# Altium PCB radxa_cm3i_io_board_v1.4.PcbDoc (part 4 of 9) (continued)
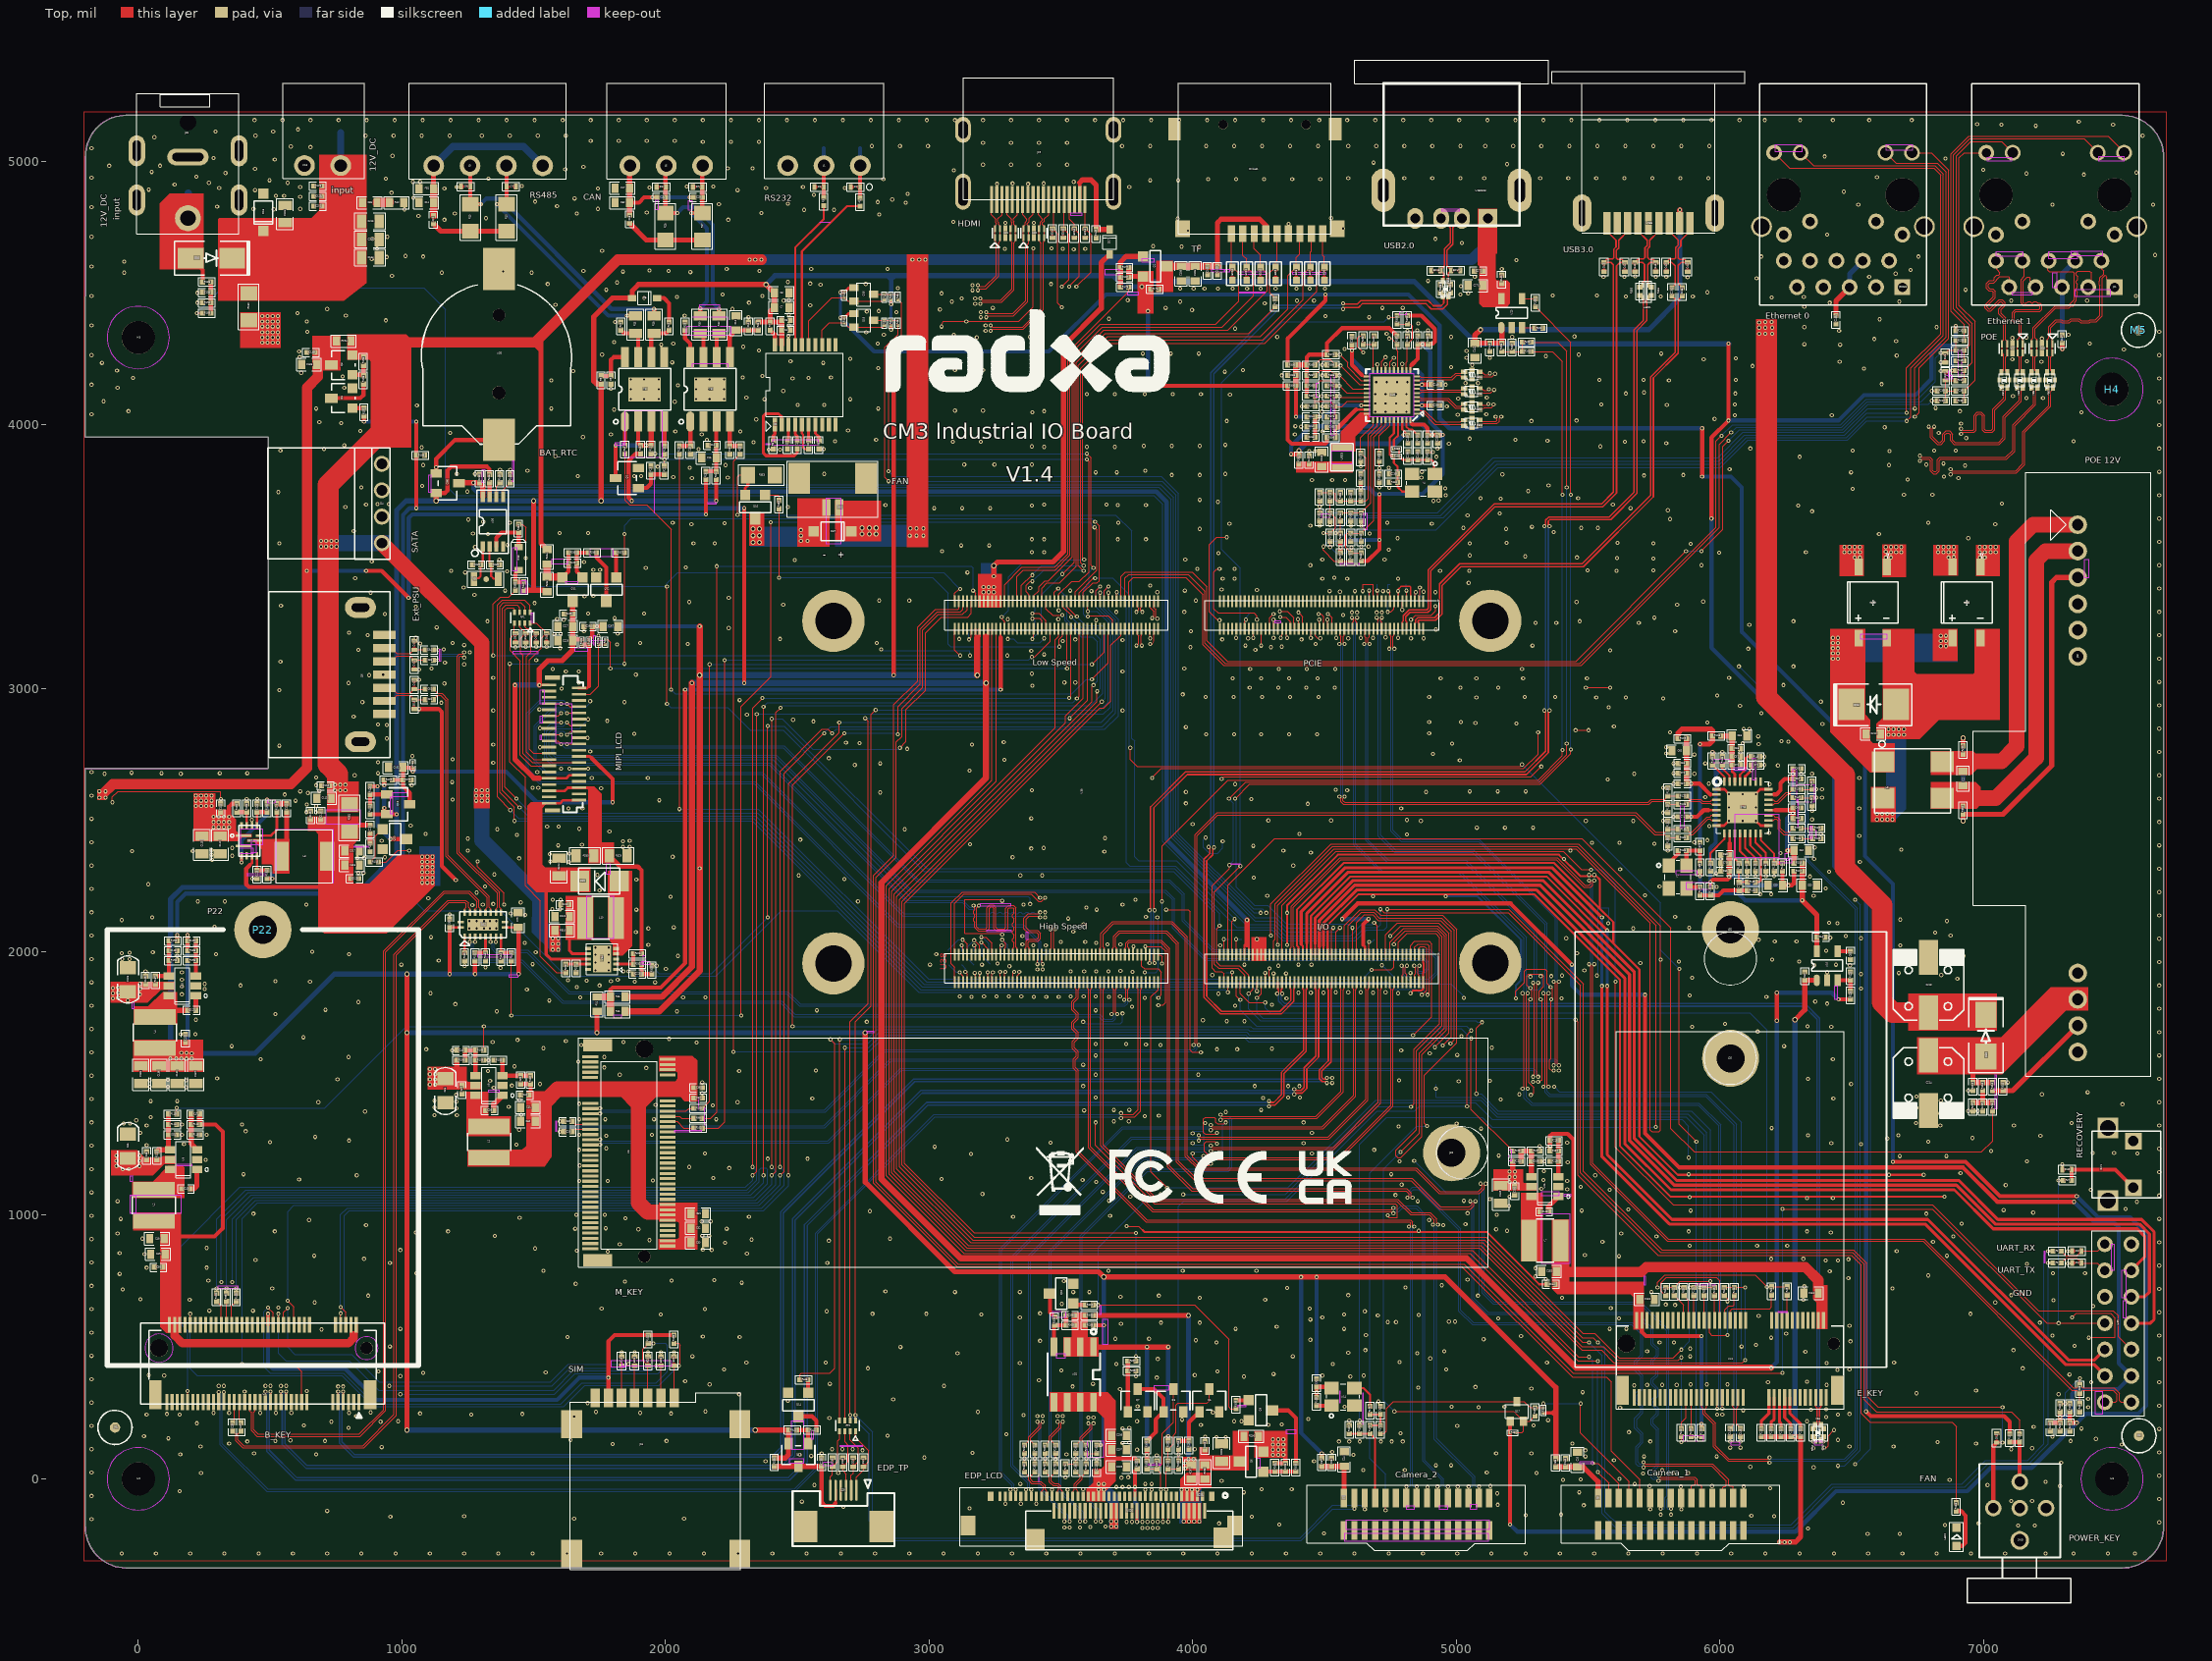
[diagram p0: Top view]
## Nets (pads, with @x,y where several pads share a name; then routed paths per layer and width w, separated by ;. In a path a pad name is that pad's centre, name@x,y a point inside that pad or via, vN(x,y) a via of type N, cw(c..) or ccw(c..) an arc to the next point about the centre after c; other vN are vias at no path point) (continued)
6078.74,2755.91 6009.84,2757.87 7667.32,2757.87 1714.57,2759.84 2917.32,2769.69 1523.62,2775.59 5797.24,2775.59 535.43,2781.5 1346.46,2785.43 3163.39,2785.43 6147.64,2787.4 4984.25,2789.37 2736.22,2791.34 6086.61,2791.34 2685.04,2793.31 3283.46,2795.28 6259.84,2797.24 6234.25,2799.21 942.91,2809.06 1704.72,2811.02 6145.67,2816.93 4051.18,2824.8 4157.48,2824.8 4259.84,2824.8 4366.14,2824.8 4472.44,2824.8 1881.89,2826.77 4897.64,2828.74 5811.02,2832.68 6090.55,2844.49 6112.2,2844.49 7667.32,2846.46 1523.62,2848.43 3974.41,2852.36 5598.43,2854.33 942.91,2860.24 909.45,2862.2 6389.76,2864.17 5228.35,2866.14 5072.83,2868.11 5952.76,2870.08 4897.64,2872.05 5017.72,2872.05 2561.02,2874.02 1779.53,2875.98 2484.25,2879.92 816.93,2891.73 2309.06,2899.61 6157.48,2905.51 1346.46,2915.35 3734.25,2915.35 5578.74,2927.17 6076.77,2933.07 7667.32,2935.04 1149.61,2944.88 850.39,2946.85 1844.49,2946.85 6383.86,2948.82 2281.5,2954.72 5785.43,2960.63 5076.77,2964.57 5531.5,2964.57 5643.7,2964.57 4049.21,2966.54 4155.51,2966.54 4263.78,2966.54 4370.08,2966.54 4478.35,2966.54 4897.64,2966.54 5259.84,2966.54 5375.98,2966.54 5990.16,2972.44 3962.6,2976.38 535.43,2992.13 1606.3,2998.03 4216.54,3001.97 4324.8,3001.97 4431.1,3001.97 4539.37,3001.97 5015.75,3001.97 5159.45,3001.97 6242.13,3011.81 1161.42,3017.72 797.24,3019.69 1671.26,3021.65 3513.78,3021.65 3555.12,3021.65 7667.32,3023.62 1064.96,3031.5 4151.57,3037.4 4259.84,3037.4 4366.14,3037.4 4474.41,3037.4 4940.94,3037.4 5076.77,3037.4 5253.94,3037.4 5496.06,3037.4 1346.46,3039.37 6035.43,3039.37 875.98,3049.21 929.13,3051.18 1887.8,3051.18 1622.05,3062.99 1671.26,3062.99 3734.25,3062.99 1064.96,3070.87 1572.83,3072.83 4218.5,3072.83 4326.77,3072.83 4433.07,3072.83 4541.34,3072.83 5250,3072.83 1112.2,3074.8 3968.5,3074.8 6279.53,3082.68 1236.22,3090.55 1163.39,3096.46 539.37,3100.39 1509.84,3106.3 7667.32,3112.2 3297.24,3124.02 1257.87,3135.83 5584.65,3143.7 834.65,3145.67 4238.19,3145.67 1159.45,3147.64 6108.27,3149.61 1600.39,3151.57 1431.1,3155.51 3992.13,3155.51 1470.47,3157.48 1509.84,3157.48 1549.21,3157.48 4338.58,3157.48 5289.37,3161.42 1236.22,3163.39 1816.93,3165.35 2084.65,3167.32 1068.9,3169.29 1192.91,3171.26 1903.54,3171.26 2801.18,3171.26 3507.87,3179.13 3734.25,3183.07 3555.12,3185.04 4112.2,3185.04 4413.39,3185.04 2435.04,3187.01 3114.17,3187.01 4210.63,3188.98 4590.55,3188.98 4828.74,3188.98 4875.98,3188.98 1053.15,3190.94 4165.35,3190.94 4307.09,3190.94 4545.28,3190.94 4637.8,3190.94 4685.04,3190.94 4732.28,3192.91 1746.06,3198.82 870.08,3200.79 7667.32,3200.79 1578.74,3204.72 1602.36,3206.69 1818.9,3206.69 799.21,3210.63 1690.94,3216.54 3994.09,3216.54 5830.71,3216.54 4923.23,3222.44 2240.16,3228.35 1131.89,3230.31 6112.2,3240.16 5301.18,3248.03 5379.92,3248.03 5692.91,3248.03 1324.8,3253.94 5468.5,3253.94 6279.53,3253.94 3633.86,3257.87 1614.17,3259.84 1588.58,3261.81 3299.21,3261.81 3490.16,3261.81 1807.09,3265.75 5751.97,3267.72 4570.87,3277.56 935.04,3281.5 1706.69,3283.46 1919.29,3283.46 4604.33,3287.4 4624.02,3287.4 4698.82,3287.4 4718.5,3287.4 3710.63,3289.37 3968.5,3289.37 7667.32,3289.37 3492.13,3295.28 1053.15,3309.06 541.34,3312.99 2446.85,3316.93 5838.58,3316.93 1503.94,3322.83 2090.55,3326.77 5456.69,3326.77 5937.01,3328.74 2811.02,3332.68 2925.2,3332.68 4011.81,3332.68 2240.16,3342.52 1692.91,3348.43 1726.38,3350.39 1275.59,3354.33 881.89,3362.2 3866.14,3364.17 4921.26,3364.17 4559.06,3366.14 4875.98,3366.14 3616.14,3368.11 4519.69,3368.11 4616.14,3368.11 4722.44,3368.11 4779.53,3368.11 1391.73,3370.08 3535.43,3370.08 3970.47,3370.08 4244.09,3372.05 7667.32,3377.95 1234.25,3381.89 3838.58,3389.76 5047.24,3399.61 4114.17,3415.35 4159.45,3415.35 4492.13,3415.35 4586.61,3415.35 4779.53,3415.35 822.83,3417.32 4537.4,3419.29 1240.16,3438.98 3145.67,3438.98 1399.61,3442.91 1187.01,3444.88 4938.98,3444.88 5049.21,3444.88 5608.27,3444.88 5498.03,3446.85 5748.03,3446.85 1726.38,3448.82 1751.97,3448.82 4017.72,3452.76 4159.45,3452.76 1925.2,3456.69 2076.77,3458.66 4446.85,3466.54 5931.1,3466.54 7667.32,3466.54 1690.94,3478.35 885.83,3480.31 2490.16,3486.22 1370.08,3488.19 3972.44,3488.19 4492.13,3488.19 4728.35,3488.19 5748.03,3492.13 5610.24,3494.09 5458.66,3496.06 5261.81,3500 5051.18,3503.94 4098.43,3511.81 5998.03,3513.78 3389.76,3515.75 3437.01,3515.75 6326.77,3515.75 3049.21,3519.69 1277.56,3535.43 4639.76,3537.4 4667.32,3537.4 3122.05,3541.34 3228.35,3541.34 1401.57,3543.31 5889.76,3547.24 535.43,3549.21 2106.3,3549.21 2187.01,3549.21 5051.18,3549.21 5748.03,3549.21 5190.94,3551.18 5612.2,3551.18 7667.32,3555.12 3389.76,3564.96 3437.01,3564.96 3716.54,3564.96 3822.83,3564.96 4777.56,3568.9 6942.91,3568.9 1326.77,3584.65 6604.33,3584.65 1269.69,3586.61 4671.26,3586.61 1598.43,3588.58 1706.69,3588.58 5370.08,3592.52 816.93,3596.46 4027.56,3604.33 5188.98,3604.33 5027.56,3608.27 5474.41,3608.27 5537.4,3608.27 5287.4,3612.2 4446.85,3616.14 4482.28,3616.14 4600.39,3616.14 4639.76,3616.14 4521.65,3618.11 2098.43,3622.05 7045.28,3622.05 4139.76,3624.02 4907.48,3624.02 2224.41,3625.98 1409.45,3627.95 2027.56,3627.95 3718.5,3627.95 4738.19,3627.95 6791.34,3627.95 1309.06,3631.89 1251.97,3639.76 5811.02,3641.73 7667.32,3643.7 5043.31,3655.51 5165.35,3663.39 6350.39,3671.26 5803.15,3675.2 3019.69,3683.07 3125.98,3683.07 3232.28,3683.07 5661.42,3683.07 785.43,3687.01 2464.57,3687.01 3389.76,3692.91 6297.24,3692.91 2834.65,3694.88 3716.54,3694.88 3822.83,3694.88 864.17,3696.85 3437.01,3696.85 3673.23,3696.85 5594.49,3696.85 907.48,3698.82 950.79,3698.82 7070.87,3700.79 4096.46,3706.69 4913.39,3710.63 4933.07,3712.6 4027.56,3714.57 5169.29,3718.5 5092.52,3720.47 5462.6,3720.47 4960.63,3732.28 7667.32,3732.28 6698.82,3734.25 6807.09,3734.25 531.5,3744.09 1248.03,3746.06 5273.62,3748.03 6503.94,3755.91 4958.66,3757.87 4746.06,3759.84 846.46,3761.81 4708.66,3761.81 1076.77,3767.72 5350.39,3769.69 4452.76,3789.37 4529.53,3789.37 4578.74,3789.37 6712.6,3791.34 2100.39,3797.24 6905.51,3797.24 2236.22,3799.21 4868.11,3799.21 2029.53,3801.18 6850.39,3803.15 1667.32,3805.12 1881.89,3805.12 1907.48,3805.12 5712.6,3807.09 3921.26,3809.06 4027.56,3809.06 5862.2,3809.06 5175.2,3811.02 1208.66,3812.99 1277.56,3812.99 2602.36,3812.99 4124.02,3812.99 3631.89,3818.9 3712.6,3818.9 6498.03,3818.9 4870.08,3820.87 7667.32,3820.87 1476.38,3824.8 3820.87,3824.8 6037.4,3830.71 2092.52,3836.61 4744.09,3836.61 1970.47,3840.55 4637.8,3842.52 6931.1,3844.49 1080.71,3846.46 2228.35,3846.46 6641.73,3846.46 3133.86,3848.43 3248.03,3848.43 3389.76,3848.43 6783.46,3848.43 6848.43,3852.36 4925.2,3877.95 6303.15,3877.95 1582.68,3879.92 4442.91,3899.61 4464.57,3899.61 6643.7,3899.61 539.37,3901.57 6503.94,3901.57 6812.99,3901.57 6895.67,3901.57 2391.73,3905.51 2435.04,3905.51 704.72,3907.48 2125.98,3907.48 2600.39,3907.48 4929.13,3909.45 6116.14,3909.45 7667.32,3909.45 1074.8,3913.39 3437.01,3915.35 3598.43,3915.35 3704.72,3915.35 3389.76,3917.32 5547.24,3917.32 3814.96,3919.29 3921.26,3919.29 4027.56,3919.29 781.5,3921.26 4124.02,3923.23 4972.44,3927.17 5797.24,3929.13 2334.65,3933.07 3090.55,3935.04 3196.85,3935.04 5639.76,3935.04 2643.7,3937.01 5710.63,3937.01 7342.52,3937.01 5346.46,3938.98 2157.48,3942.91 2799.21,3942.91 5224.41,3942.91 5051.18,3946.85 6935.04,3948.82 1687.01,3952.76 1793.31,3962.6 2137.8,3962.6 4387.8,3962.6 1183.07,3968.5 6830.71,3968.5 2037.4,3974.41 2283.46,3974.41 4494.09,3974.41 842.52,3976.38 2692.91,3978.35 6625.98,3990.16 4411.42,3992.13 4389.76,3994.09 7667.32,3998.03 6915.35,4003.94 769.69,4005.91 687.01,4009.84 4129.92,4013.78 5285.43,4013.78 5456.69,4015.75 2344.49,4019.69 5980.32,4021.65 6057.09,4035.43 6425.2,4035.43 5005.91,4037.4 -177.17,4039.37 5114.17,4039.37 3391.73,4047.24 7372.05,4047.24 4490.16,4049.21 4692.91,4049.21 4732.28,4049.21 4771.65,4049.21 4811.02,4049.21 -37.4,4051.18 3437.01,4051.18 6911.42,4051.18 3098.43,4053.15 3204.72,4053.15 1805.12,4057.09 675.2,4061.02 1566.93,4061.02 2807.09,4061.02 6818.9,4062.99 4964.57,4068.9 1057.09,4072.83 2501.97,4074.8 2602.36,4074.8 5799.21,4074.8 5551.18,4076.77 6057.09,4076.77 4692.91,4080.71 4732.28,4080.71 4771.65,4080.71 4811.02,4080.71 2035.43,4086.61 7667.32,4086.61 -131.89,4088.58 1868.11,4096.46 1919.29,4096.46 1974.41,4096.46 2116.14,4096.46 2167.32,4096.46 2222.44,4096.46 2375.98,4096.46 2700.79,4096.46 5007.87,4098.43 7163.39,4100.39 7226.38,4100.39 2307.09,4102.36 5116.14,4102.36 4490.16,4108.27 7112.2,4108.27 4141.73,4114.17 3598.43,4116.14 3704.72,4116.14 3818.9,4116.14 3925.2,4116.14 4031.5,4116.14 4692.91,4116.14 4732.28,4116.14 4771.65,4116.14 4811.02,4116.14 5643.7,4118.11 6059.06,4118.11 5712.6,4122.05 2446.85,4127.95 1868.11,4133.86 1919.29,4133.86 1974.41,4133.86 2116.14,4133.86 2167.32,4133.86 2222.44,4133.86 1793.31,4135.83 -78.74,4139.76 781.5,4139.76 2047.24,4149.61 -177.17,4151.57 4960.63,4151.57 6614.17,4153.54 5035.43,4157.48 5082.68,4157.48 4696.85,4161.42 4736.22,4161.42 4775.59,4161.42 4814.96,4161.42 1566.93,4167.32 5807.09,4167.32 5543.31,4169.29 5710.63,4169.29 6061.02,4169.29 1868.11,4171.26 1919.29,4171.26 1974.41,4171.26 2116.14,4171.26 2167.32,4171.26 2222.44,4171.26 2482.28,4175.2 7667.32,4175.2 -19.68,4177.17 2543.31,4177.17 2293.31,4179.13 2627.95,4179.13 775.59,4183.07 2368.11,4185.04 4338.58,4187.01 4492.13,4187.01 618.11,4196.85 4122.05,4200.79 1649.61,4202.76 6838.58,4202.76 -80.71,4204.72 3098.43,4206.69 3204.72,4206.69 4190.94,4206.69 6547.24,4212.6 2807.09,4214.57 4980.32,4218.5 6124.02,4222.44 4492.13,4226.38 5061.02,4226.38 -137.8,4234.25 2598.43,4234.25 2025.59,4236.22 6838.58,4236.22 6454.72,4238.19 7220.47,4238.19 2474.41,4240.16 7165.35,4240.16 5938.98,4248.03 7110.24,4248.03 2700.79,4250 6061.02,4251.97 5039.37,4253.94 5127.95,4253.94 612.2,4255.91 5340.55,4259.84 6671.26,4261.81 -177.17,4263.78 7667.32,4263.78 1759.84,4265.75 5464.57,4265.75 3811.02,4269.69 3917.32,4269.69 4023.62,4269.69 5777.56,4269.69 610.24,4277.56 5039.37,4279.53 2354.33,4281.5 7533.46,4285.43 4576.77,4287.4 2295.28,4295.28 1984.25,4303.15 6456.69,4303.15 6320.87,4305.12 2029.53,4307.09 2805.12,4307.09 7403.54,4307.09 3068.9,4311.02 1805.12,4312.99 6669.29,4316.93 6586.61,4324.8 7222.44,4326.77 7110.24,4328.74 3181.1,4330.71 7163.39,4330.71 4320.87,4332.68 4980.32,4332.68 5212.6,4332.68 5448.82,4334.65 2466.54,4336.61 2828.74,4340.55 3094.49,4340.55 7322.83,4340.55 4736.22,4344.49 2761.81,4350.39 641.73,4352.36 7667.32,4352.36 3214.57,4356.3 4814.96,4356.3 6452.76,4356.3 4852.36,4358.27 4893.7,4358.27 4161.42,4364.17 6320.87,4370.08 6822.83,4370.08 -177.17,4375.98 2468.5,4375.98 3214.57,4375.98 4856.3,4383.86 1809.06,4389.76 639.76,4391.73 938.98,4395.67 6606.3,4399.61 3683.07,4401.57 2314.96,4407.48 3196.85,4407.48 4669.29,4407.48 4503.94,4411.42 787.4,4413.39 2072.83,4413.39 2468.5,4417.32 604.33,4423.23 2875.98,4427.17 3196.85,4427.17 2763.78,4429.13 2809.06,4431.1 3998.03,4435.04 3041.34,4437.01 716.54,4438.98 2253.94,4438.98 3897.64,4442.91 4720.47,4442.91 4797.24,4442.91 6320.87,4446.85 2549.21,4452.76 1582.68,4454.72 3175.2,4458.66 4273.62,4460.63 224.41,4462.6 2316.93,4462.6 6417.32,4462.6 3086.61,4466.54 3952.76,4466.54 6681.1,4466.54 2448.82,4470.47 4395.67,4470.47 4460.63,4470.47 7106.3,4470.47 7393.7,4470.47 2468.5,4472.44 3753.94,4472.44 3175.2,4478.35 1919.29,4480.31 6196.85,4482.28 2043.31,4484.25 6318.9,4484.25 5643.7,4486.22 5775.59,4486.22 5897.64,4486.22 -177.17,4488.19 2368.11,4488.19 7578.74,4488.19 5366.14,4490.16 5533.46,4490.16 2216.54,4494.09 5015.75,4494.09 3047.24,4498.03 5045.28,4498.03 224.41,4500 5952.76,4501.97 3165.35,4509.84 1775.59,4511.81 6933.07,4511.81 3952.76,4515.75 4003.94,4515.75 4045.28,4515.75 4096.46,4515.75 4151.57,4515.75 4206.69,4515.75 4257.87,4515.75 4314.96,4515.75 4393.7,4515.75 4444.88,4515.75 4501.97,4515.75 2881.89,4517.72 5017.72,4525.59 3165.35,4529.53 2588.58,4531.5 1553.15,4533.46 2759.84,4533.46 2549.21,4535.43 1816.93,4539.37 2464.57,4541.34 4893.7,4545.28 6139.76,4555.12 5877.95,4559.06 5070.87,4561.02 5559.06,4561.02 5637.8,4561.02 5757.87,4561.02 5797.24,4561.02 6566.93,4561.02 5679.13,4562.99 962.6,4564.96 6667.32,4572.83 -53.15,4576.77 1151.57,4576.77 1492.13,4576.77 2094.49,4578.74 1383.86,4580.71 1838.58,4580.71 1688.98,4582.68 2011.81,4582.68 2356.3,4582.68 1938.98,4584.65 6724.41,4586.61 2232.28,4590.55 2553.15,4590.55 2842.52,4590.55 5173.23,4590.55 -177.17,4600.39 -53.15,4618.11 5228.35,4624.02 885.83,4627.95 942.91,4635.83 1080.71,4637.8 6157.48,4637.8 6753.94,4637.8 1013.78,4639.76 7651.57,4643.7 1759.84,4659.45 3549.21,4665.35 3287.4,4667.32 3507.87,4667.32 3592.52,4667.32 905.51,4669.29 3464.57,4669.29 3958.66,4675.2 4025.59,4675.2 3850.39,4677.17 5021.65,4688.98 887.8,4704.72 4921.26,4704.72 -177.17,4712.6 944.88,4712.6 6407.48,4720.47 3982.28,4736.22 4570.87,4744.09 4364.17,4761.81 3289.37,4765.75 3397.64,4765.75 3092.52,4769.69 1161.42,4777.56 2238.19,4777.56 3942.91,4781.5 1318.9,4783.46 4525.59,4783.46 1062.99,4791.34 2811.02,4797.24 1200.79,4801.18 1663.39,4801.18 2364.17,4803.15 1929.13,4805.12 2525.59,4814.96 2639.76,4814.96 513.78,4816.93 1009.84,4816.93 437.01,4818.9 614.17,4818.9 1744.09,4818.9 -177.17,4824.8 299.21,4826.77 1588.58,4828.74 6525.59,4834.65 7261.81,4834.65 7643.7,4834.65 2202.76,4836.61 2464.57,4838.58 2911.42,4842.52 2805.12,4844.49 1505.91,4846.46 2860.24,4854.33 1655.51,4858.27 1043.31,4860.24 614.17,4864.17 521.65,4868.11 553.15,4868.11 2562.99,4872.05 2919.29,4875.98 960.63,4879.92 6470.47,4883.86 442.91,4889.76 2273.62,4889.76 39.37,4891.73 1161.42,4895.67 1744.09,4895.67 307.09,4897.64 2381.89,4897.64 2681.1,4897.64 1938.98,4899.61 614.17,4901.57 1208.66,4901.57 2521.65,4901.57 3759.84,4901.57 2080.71,4903.54 2181.1,4903.54 1454.72,4905.51 137.8,4911.42 3257.87,4913.39 3375.98,4913.39 3316.93,4915.35 3435.04,4915.35 267.72,4917.32 566.93,4917.32 1041.34,4921.26 1068.9,4921.26 3549.21,4921.26 498.03,4927.17 3838.58,4927.17 3944.88,4927.17 2826.77,4931.1 4059.06,4931.1 4165.35,4931.1 4271.65,4931.1 4377.95,4931.1 4484.25,4931.1 938.98,4933.07 1328.74,4933.07 4590.55,4935.04 4803.15,4935.04 4909.45,4935.04 5015.75,4935.04 5106.3,4935.04 5318.9,4935.04 5425.2,4935.04 5531.5,4935.04 5637.8,4935.04 5744.09,4935.04 5850.39,4935.04 5956.69,4935.04 -177.17,4937.01 6596.46,4938.98 220.47,4940.94 7381.89,4948.82 7163.39,4952.76 330.71,4954.72 7580.71,4956.69 51.18,4958.66 3094.49,4964.57 7000,4966.54 1620.08,4968.5 442.91,4970.47 2236.22,4972.44 2330.71,4972.44 1688.98,4978.35 -110.24,4982.28 82.68,4982.28 3204.72,4986.22 3311.02,4986.22 3417.32,4986.22 3523.62,4986.22 5192.91,4988.19 4687.01,4994.09 517.72,5005.91 6856.3,5009.84 285.43,5011.81 6397.64,5017.72 964.57,5019.69 7301.18,5027.56 -177.17,5049.21 653.54,5053.15 578.74,5055.12 2783.46,5057.09 2889.76,5057.09 2996.06,5057.09 3732.28,5057.09 3838.58,5057.09 4051.18,5057.09 4157.48,5057.09 4263.78,5057.09 4370.08,5057.09 4476.38,5057.09 4590.55,5057.09 4696.85,5057.09 4803.15,5057.09 4909.45,5057.09 5015.75,5057.09 5110.24,5057.09 5216.54,5057.09 5322.83,5057.09 5429.13,5057.09 5535.43,5057.09 5641.73,5057.09 5748.03,5057.09 5854.33,5057.09 5960.63,5057.09 3204.72,5068.9 3311.02,5068.9 3417.32,5068.9 3523.62,5068.9 2141.73,5072.83 2248.03,5072.83 2354.33,5072.83 1716.54,5076.77 1822.83,5076.77 1929.13,5076.77 2035.43,5076.77 61.02,5090.55 444.88,5096.46 862.2,5096.46 968.5,5096.46 1074.8,5096.46 1181.1,5096.46 1303.15,5096.46 1409.45,5096.46 1515.75,5096.46 1622.05,5096.46 7604.33,5096.46 293.31,5112.2 511.81,5112.2 606.3,5120.08 7198.82,5133.86 7068.9,5137.8 7492.13,5137.8 6976.38,5139.76 7362.2,5149.61 440.94,5155.51 547.24,5155.51 653.54,5155.51 759.84,5155.51 866.14,5155.51 972.44,5155.51 1078.74,5155.51 1185.04,5155.51 1291.34,5155.51 1397.64,5155.51 1503.94,5155.51 1610.24,5155.51 1716.54,5155.51 1822.83,5155.51 1929.13,5155.51 2035.43,5155.51 2141.73,5155.51 2248.03,5155.51 2354.33,5155.51 2460.63,5155.51 2566.93,5155.51 2673.23,5155.51 2779.53,5155.51 2885.83,5155.51 2992.13,5155.51 3098.43,5155.51 3204.72,5155.51 3311.02,5155.51 3417.32,5155.51 3523.62,5155.51 3629.92,5155.51 3736.22,5155.51 3842.52,5155.51 3948.82,5155.51 4055.12,5155.51 4161.42,5155.51 4267.72,5155.51 4374.02,5155.51 4480.32,5155.51 4586.61,5155.51 4692.91,5155.51 4799.21,5155.51 4905.51,5155.51 5011.81,5155.51 5118.11,5155.51 5224.41,5155.51 5330.71,5155.51 5437.01,5155.51 5543.31,5155.51 5649.61,5155.51 5755.91,5155.51 5862.2,5155.51 5968.5,5155.51 6074.8,5155.51 6171.26,5155.51 6305.12,5155.51 6429.13,5155.51 6566.93,5155.51 6728.35,5155.51
GPIO_VREF: R34.1 R35.1 R36.1 U38.78 | length 2924.7
  Top w7.87: 3270.67,3192.91 U38.78@3270.67,3225.2
  Top w15.75: R35.1@1791.34,1828.74 1791.34,1856.3 1799.21,1864.17 1982.28,1864.17 2074.8,1956.69 v1(2074.8,2994.09) ; 3270.67,3192.91 3271.65,3191.93 v1(3271.65,2994.09)
  Top w27.56: R34.1@1740.16,1828.74 R35.1@1791.34,1828.74 R36.1@1791.34,1773.62
  Bottom w15.75: v1(2074.8,2994.09) v1(3271.65,2994.09)
HDMI_TX0N_PORT: J19.9 U22.2 U22.9 U38.184 | length 3268.4
  Top w3.94: v1(3216.54,4407.48) 3222.44,4413.39 3320.87,4413.39 3374.02,4466.54 3374.02,4685.04 3377.96,4688.98 U22.2@3377.96,4709.16 U22.9@3377.96,4743.6 3377.96,4752.95 3372.05,4758.86 3372.05,4763.36 3379.05,4770.36 3379.05,4782.6 3394.8,4798.35 J19.9@3394.8,4854 ; v1(3222.44,1921.26) 3223.43,1920.28 U38.184@3223.43,1884.65
  Power w3.94: v1(3216.54,4407.48) 3222.44,4413.39 3313.67,4413.39 3336.61,4390.44 3336.61,2352.36 3246.06,2261.81 3246.06,2001.97 3228.35,1984.25 3228.35,1927.17 v1(3222.44,1921.26)
HDMI_TX0P_PORT: J19.7 U22.1 U22.10 U38.182 | length 3270.9
  Top w3.94: v1(3216.54,4427.17) 3222.44,4421.26 3317.6,4421.26 3366.14,4469.8 3366.14,4687.01 3358.27,4694.88 U22.1@3358.27,4709.16 U22.10@3358.27,4743.6 3358.27,4752.95 3364.18,4758.86 3364.18,4766.62 3371.18,4773.62 3371.18,4780.39 3355.43,4796.14 J19.7@3355.43,4854 ; U38.182@3239.17,1884.65 3239.17,1918.31 v1(3242.13,1921.26)
  Power w3.94: v1(3216.54,4427.17) 3222.44,4421.26 3316.93,4421.26 3344.49,4393.7 3344.49,2348.43 3253.94,2257.87 3253.94,1998.03 3236.22,1980.31 3236.22,1927.17 v1(3242.13,1921.26)
HDMI_TX1N_PORT: J19.6 U21.5 U21.6 U38.178 | length 3268.9
  Top w3.94: v1(3194.88,4458.66) 3200.79,4464.57 3275.59,4464.57 3322.83,4511.81 3322.83,4690.94 3328.74,4696.85 U21.5@3328.74,4709.16 U21.6@3328.74,4743.6 3328.74,4752.95 3322.83,4758.86 3322.83,4769.69 3320,4772.51 3320,4780.63 3335.75,4796.38 J19.6@3335.75,4854 ; v1(3269.69,1923.23) 3270.67,1922.24 U38.178@3270.67,1884.65
  Power w3.94: v1(3194.88,4458.66) 3200.79,4464.57 3323.51,4464.57 3360.24,4427.84 3360.24,2340.55 3301.18,2281.5 3301.18,2001.97 3275.59,1976.38 3275.59,1929.13 v1(3269.69,1923.23)
HDMI_TX1P_PORT: J19.4 U21.4 U21.7 U38.176 | length 3269.7
  Top w3.94: v1(3194.88,4478.35) 3200.79,4472.44 3272.33,4472.44 3314.96,4515.07 3314.96,4690.94 3309.05,4696.85 U21.4@3309.05,4709.16 U21.7@3309.05,4743.6 3309.05,4752.95 3314.96,4758.86 3314.96,4766.42 3312.13,4769.25 3312.13,4780.39 3296.38,4796.14 J19.4@3296.38,4854 ; U38.176@3286.42,1884.65 3286.42,1920.28 v1(3289.37,1923.23)
  Power w3.94: v1(3194.88,4478.35) 3200.79,4472.44 3326.77,4472.44 3368.11,4431.1 3368.11,2336.61 3309.06,2277.56 3309.06,1996.06 3283.46,1970.47 3283.46,1929.13 v1(3289.37,1923.23)
HDMI_TX2N_PORT: J19.3 U21.2 U21.9 U38.172 | length 3268.7
  Top w3.94: v1(3185.04,4509.84) 3190.94,4515.75 3216.54,4515.75 3263.78,4562.99 3263.78,4690.94 3269.69,4696.85 U21.2@3269.69,4709.16 U21.9@3269.69,4743.6 3269.69,4752.95 3263.78,4758.86 3263.78,4767.72 3260.94,4770.55 3260.94,4780.63 3276.69,4796.38 J19.3@3276.69,4854 ; U38.172@3317.91,1884.65 3317.91,1919.29 3321.85,1923.23 v1(3322.83,1923.23)
  Power w3.94: v1(3185.04,4509.84) 3190.94,4515.75 3349.1,4515.75 3413.39,4451.46 3413.39,2330.71 3330.71,2248.03 3330.71,1931.1 v1(3322.83,1923.23)
HDMI_TX2P_PORT: J19.1 U21.1 U21.10 U38.170 | length 3268.1
  Top w3.94: v1(3185.04,4529.53) 3190.94,4523.62 3213.27,4523.62 3255.91,4566.25 3255.91,4690.95 3250,4696.85 U21.1@3250,4709.16 U21.10@3250,4743.6 3250,4752.95 3255.91,4758.86 3255.91,4764.46 3253.07,4767.29 3253.07,4780.39 3237.32,4796.14 J19.1@3237.32,4854 ; U38.170@3333.66,1884.65 3333.66,1907.48 3342.52,1916.34 v1(3342.52,1923.23)
  Power w3.94: v1(3185.04,4529.53) 3190.94,4523.62 3352.36,4523.62 3421.26,4454.72 3421.26,2326.77 3338.58,2244.09 3338.58,1927.17 v1(3342.52,1923.23)
HDMI_TX_CEC_PORT: ED16.1 J19.13 U38.151 | length 2904.3
  Top w3.94: J19.13@3473.54,4854 3473.54,4748.03 3469.61,4744.09 ED16.1@3468.5,4744.09 3488.19,4724.41 3488.19,4460.63 v1(3503.94,4444.88) ; U38.151@3475.39,1988.58 3475.39,2009.84 3472.44,2012.8 3472.44,2080.71 v1(3478.35,2086.61)
  Power w3.94: v1(3478.35,2086.61) 3478.35,2084.65 3474.41,2088.58 3474.41,4415.35 v1(3503.94,4444.88)
HDMI_TX_HPD_PORT: ED13.1 J19.19 U38.153 | length 2943.6
  Top w3.94: v1(3458.66,2086.61) 3464.57,2080.71 3464.57,2013.78 3459.65,2008.86 U38.153@3459.65,1988.58 ; v1(3559.06,4523.62) 3614.17,4578.74 3614.17,4722.44 ED13.1@3592.52,4744.09 3591.65,4744.96 J19.19@3591.65,4854
  Power w3.94: v1(3458.66,2086.61) 3466.54,2094.49 3466.54,4431.1 v1(3559.06,4523.62)
HDMI_TXCLKN_PORT: J19.12 U22.5 U22.6 U38.190 | length 3268.5
  Top w3.94: v1(3173.23,1919.29) 3176.18,1919.29 U38.190@3176.18,1884.65 ; v1(3234.25,4356.3) 3240.16,4362.2 3358.27,4362.2 3433.07,4437.01 3433.07,4692.91 3437.01,4696.85 U22.5@3437.01,4709.16 U22.6@3437.01,4743.6 3437.01,4752.95 3431.1,4758.86 3431.1,4765.75 3438.11,4772.76 3438.11,4780.63 3453.86,4796.38 J19.12@3453.86,4854
  Power w3.94: v1(3173.23,1919.29) 3173.23,1920.94 3179.13,1926.85 3179.13,1978.35 3220.47,2019.69 3220.47,2301.18 3312.99,2393.7 3312.99,4338.58 3289.37,4362.2 3240.16,4362.2 v1(3234.25,4356.3)
HDMI_TXCLKP_PORT: J19.10 U22.4 U22.7 U38.188 | length 3269.8
  Top w3.94: U38.188@3191.93,1884.65 3191.93,1918.31 v1(3192.91,1919.29) ; v1(3234.25,4375.98) 3240.16,4370.08 3355.01,4370.08 3425.19,4440.26 3425.19,4688.98 3417.32,4696.85 U22.4@3417.32,4709.16 U22.7@3417.32,4743.6 3417.32,4752.95 3423.23,4758.86 3423.23,4769.01 3430.24,4776.02 3430.24,4780.39 3414.49,4796.14 J19.10@3414.49,4854
  Power w3.94: v1(3192.91,1919.29) 3187.01,1923.23 3187.01,1974.41 3228.35,2015.75 3228.35,2295.28 3320.87,2387.8 3320.87,4344.49 3295.28,4370.08 3240.16,4370.08 v1(3234.25,4375.98)
HDMI_TXDDC_SCL_PORT: ED15.1 J19.15 U38.200 | length 3373.6
  Top w3.94: U38.200@3097.44,1884.65 3097.44,1940.94 3084.65,1953.74 3084.65,2185.04 3125.98,2226.38 3399.61,2226.38 v1(3421.26,2204.72) ; v1(3503.94,4523.62) 3531.5,4551.18 3531.5,4722.44 ED15.1@3509.84,4744.09 3512.91,4747.16 J19.15@3512.91,4854
  Power w3.94: v1(3421.26,2204.72) 3450.79,2234.25 3450.79,4470.47 v1(3503.94,4523.62)
HDMI_TXDDC_SDA_PORT: ED14.1 J19.16 U38.199 | length 3289.3
  Top w3.94: U38.199@3097.44,1988.58 3097.44,2184.06 3131.89,2218.5 3387.8,2218.5 3415.35,2190.94 3427.17,2190.94 v1(3440.94,2204.72) ; v1(3531.5,4523.62) 3570.87,4562.99 3570.87,4724.41 ED14.1@3551.18,4744.09 3551.18,4760.95 3532.6,4779.53 J19.16@3532.6,4854
  Power w3.94: v1(3440.94,2204.72) 3458.66,2222.44 3458.66,4450.79 v1(3531.5,4523.62)
HP_DET_L: J6.70 U39.10 | length 4907.2
  Top w3.94: J6.70@4338.98,1988.58 4338.98,2175.2 4543.7,2379.92 5405.51,2379.92 5474.41,2311.02 v1(5511.81,2311.02) ; v1(5604.33,1885.83) 5604.33,1257.87 5822.83,1039.37 6807.09,1039.37 7208.66,637.8 7492.91,637.8 7512.6,618.11 7512.6,539.37 U39.10@7561.42,490.55
  Bottom w3.94: v1(5511.81,2311.02) 5549.21,2311.02 5604.33,2255.91 v1(5604.33,1885.83)
HP_SNS: J6.52 U39.6 | length 4547.8
  Top w7.87: J6.52@4480.71,1988.58 4480.71,2019.69
  Top w11.81: 4480.71,2019.69 4480.71,2118.11 4614.57,2251.97 5318.9,2251.97 5657.48,1913.39 5657.48,1283.46 5826.77,1114.17 6897.64,1114.17 7045.28,966.54 7592.52,966.54 7629.92,929.13 7629.92,708.27 7612.2,690.55 U39.6@7561.42,690.55
HPL_OUT: J6.50 U39.4 | length 4351.1
  Top w7.87: J6.50@4496.46,1988.58 4496.46,2021.65
  Top w11.81: 4496.46,2021.65 4496.46,2108.27 4622.44,2234.25 5305.12,2234.25 5639.76,1899.61 5639.76,1271.65 5814.96,1096.46 6889.76,1096.46 7037.4,948.82 7584.65,948.82 7612.2,921.26 7612.2,841.34 U39.4@7561.42,790.55
HPR_OUT: J6.54 U39.8 | length 4727.5
  Top w7.87: J6.54@4464.96,1988.58 4464.96,2029.53
  Top w11.81: 4464.96,2029.53 4464.96,2127.95 4606.69,2269.69 5330.71,2269.69 5675.2,1925.2 5675.2,1293.31 5836.61,1131.89 6907.48,1131.89 7055.12,984.25 7600.39,984.25 7647.64,937.01 7647.64,604.33 7633.86,590.55 U39.8@7561.42,590.55
I2C0_SCL_PMIC: J8.3 U38.80 | length 5775.7
  Top w3.94: U38.80@3254.92,3225.2 3254.92,2646.65 2848.43,2240.16 2848.43,1155.51 3137.8,866.14 5061.02,866.14 5464.57,462.6 v1(5503.94,462.6) ; v1(5517.72,59.06) 5539.37,59.06 5617.32,-18.9 J8.3@5617.32,-72.83
  Bottom w3.94: v1(5503.94,462.6) 5517.72,448.82 v1(5517.72,59.06)
I2C0_SDA_PMIC: J8.2 U38.82 | length 5768.6
  Top w3.94: U38.82@3239.17,3225.2 3239.17,2650.59 2838.58,2250 2838.58,1149.61 3131.89,856.3 5053.15,856.3 5462.6,446.85 v1(5537.4,446.85) ; v1(5537.4,25.59) 5578.74,-15.75 5578.74,-72.05 J8.2@5577.95,-72.83
  Bottom w3.94: v1(5537.4,25.59) v1(5537.4,446.85)